# Allegro board buddy_lay_rev1.brd (continued)
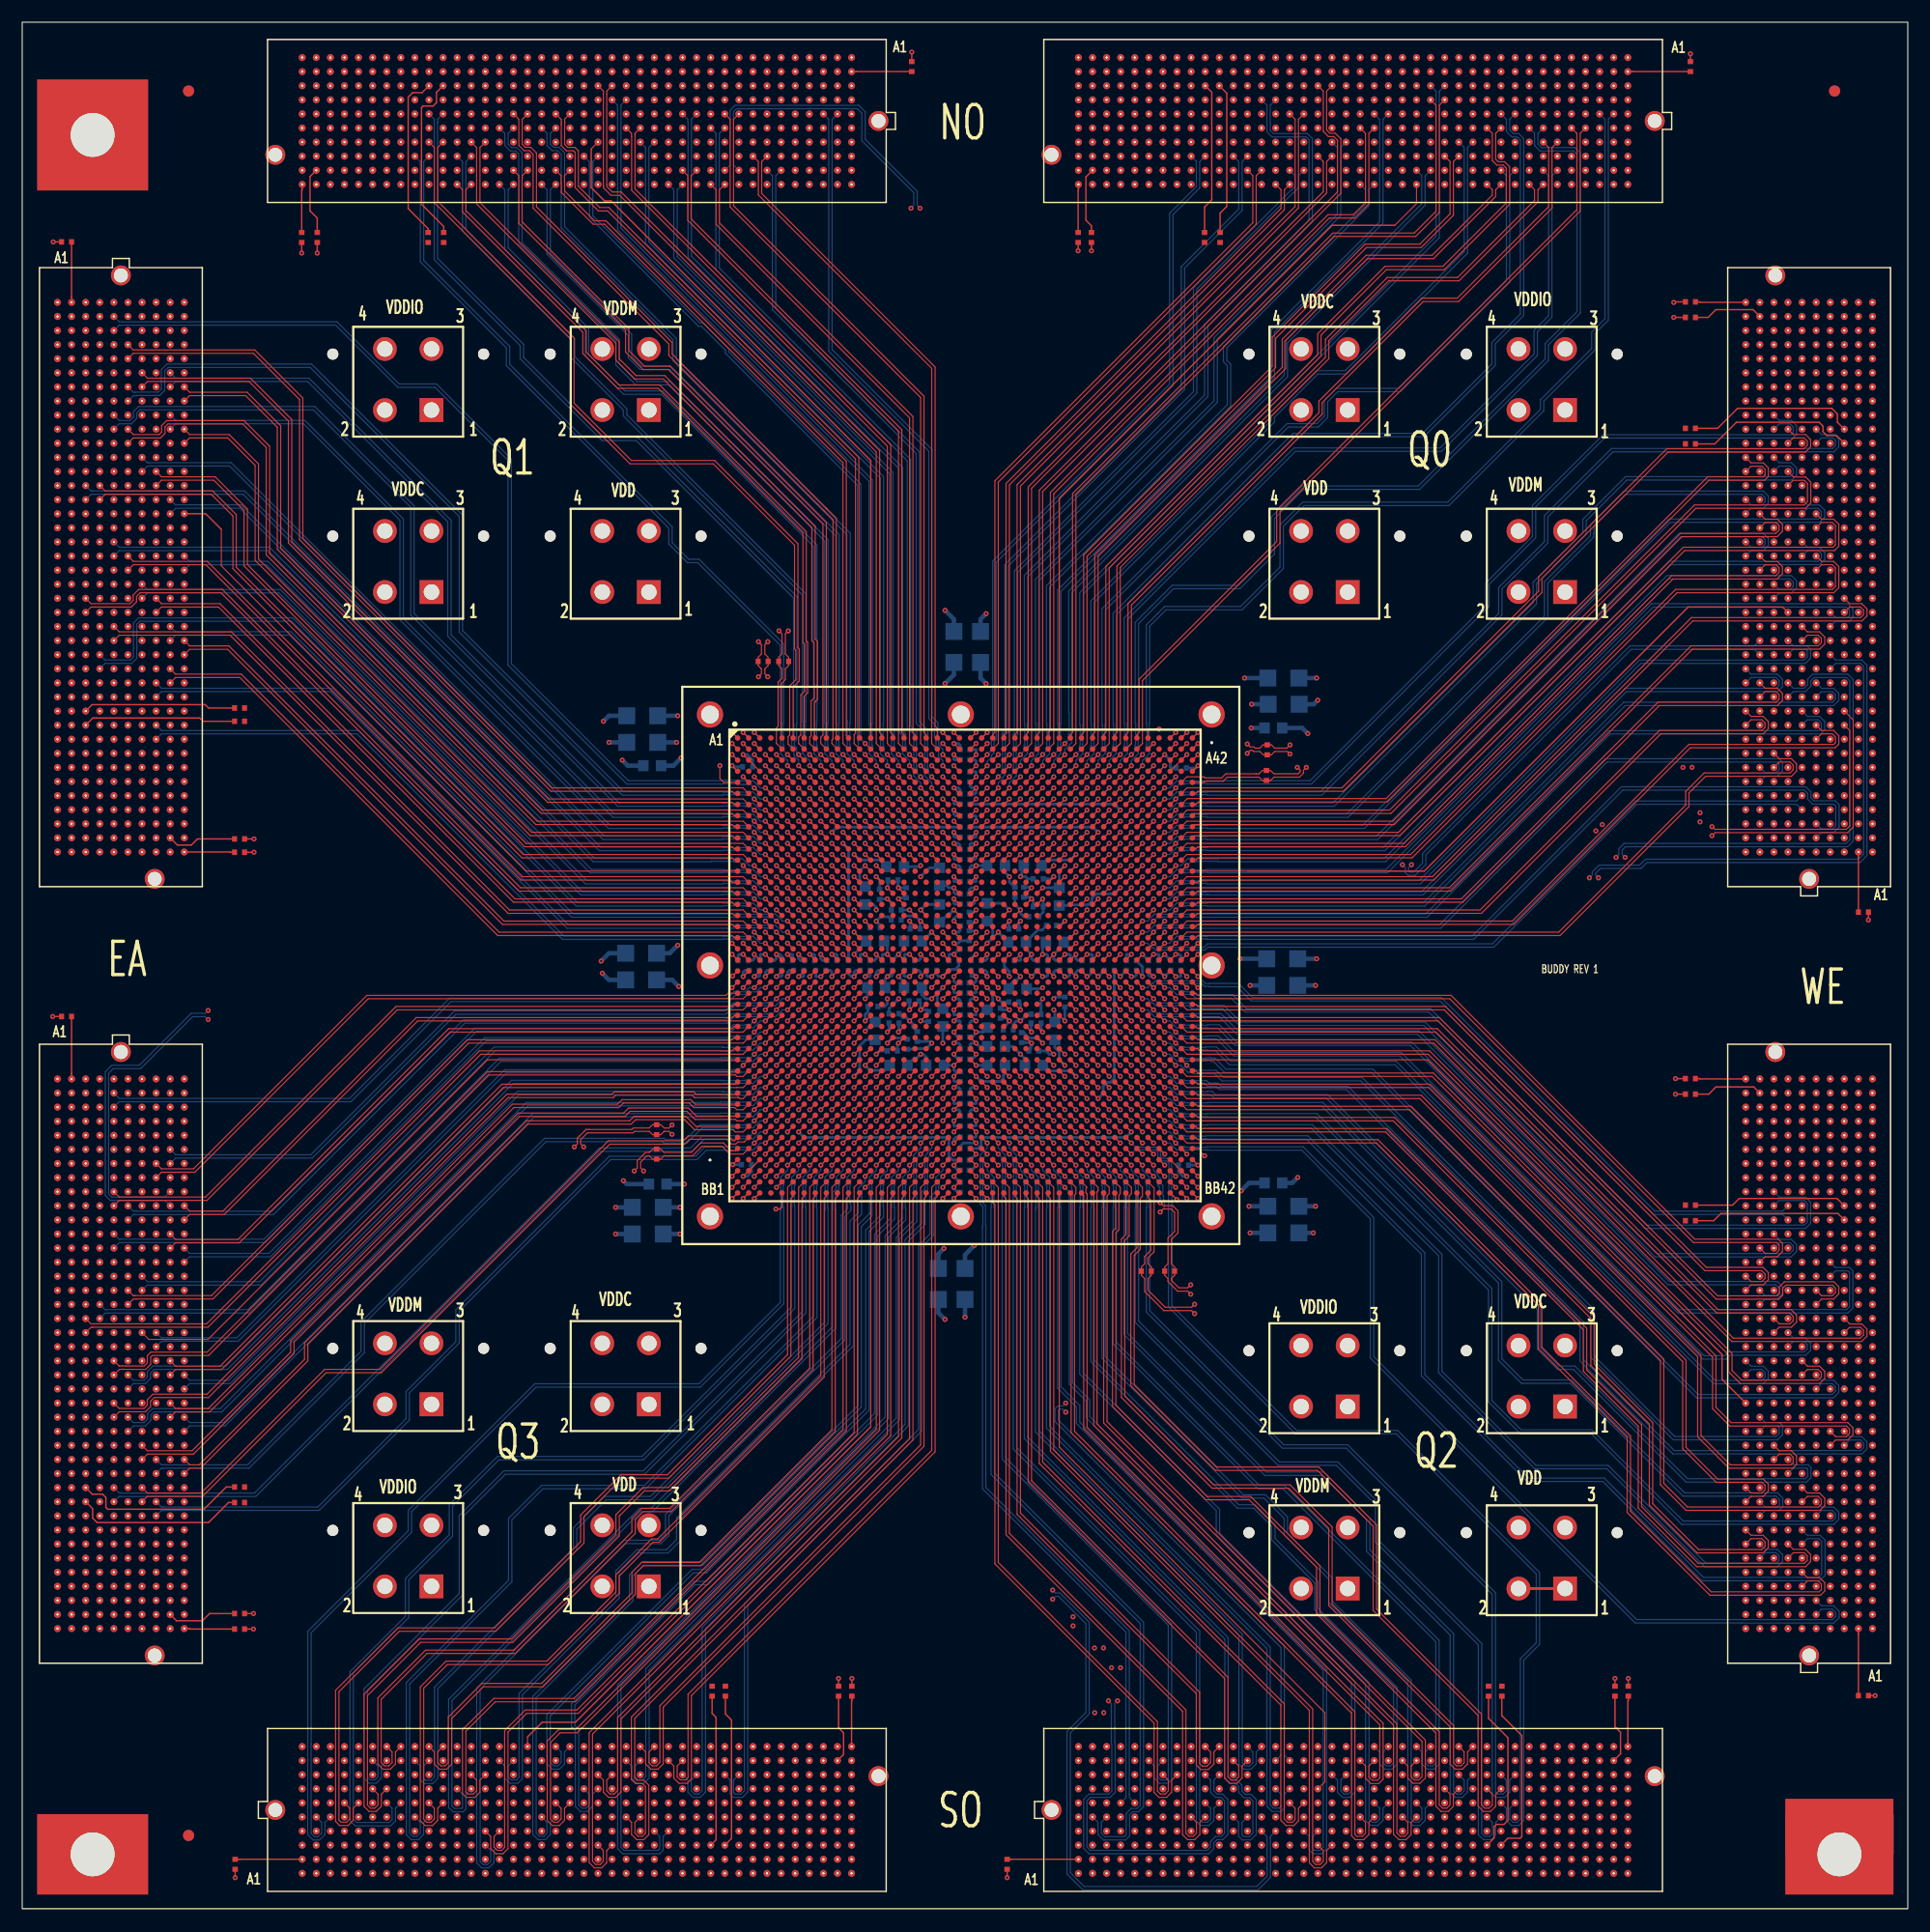
[diagram p0: board, top side]
## Routing (per net, layer and track width the routed paths; a pad name or vN(x,y) marks a point on that pad's centre or on a via; arc(x,y) is an arc through that point) (continued)
  SIGNAL_L6 w0.254: J1.H27 42.23,157.93 ; J1.H27 41.75,158.4 ; J1.H27 41.28,157.93 ; J1.H27 41.75,157.45 ; 71.76,8.27 J6.E38 ; J6.E38 72.71,8.27 ; J6.E38 72.23,8.74 ; J6.E38 72.23,7.79 ; J5.B10 106.66,4.93 ; J5.B10 106.66,3.98 ; J5.B10 106.18,4.46 ; J5.B10 107.13,4.46 ; 142.22,3.98 142.22,4.46 ; 142.22,4.46 142.22,4.93 ; 142.22,4.46 142.69,4.46 ; 142.22,4.46 141.74,4.46 ; J8.B18 4.46,123.64 ; J8.B18 4.46,122.69 ; J8.B18 4.93,123.17 ; J8.B18 3.98,123.17 ; J24.1 139.1,30.09 ; J24.1 139.1,27.61 ; J24.1 137.86,28.85 ; J24.1 140.34,28.85 ; 160.47,61.6 J4.F30 ; J4.F30 160.47,62.55 ; J4.F30 160.94,62.07 ; J4.F30 159.99,62.07 ; 50.17,159.19 J1.G20 ; J1.G20 51.12,159.19 ; J1.G20 50.64,159.67 ; J1.G20 50.64,158.72 ; 38.74,3.19 39.21,3.19 ; 39.21,3.19 39.21,3.66 ; 39.21,3.19 39.69,3.19 ; 39.21,3.19 39.21,2.71 ; 33.66,13.35 34.13,13.35 ; 34.13,13.35 34.61,13.35 ; 34.13,13.35 34.13,12.87 ; 34.13,13.35 34.13,13.82 ; J6.A37 70.96,3.66 ; J6.A37 70.96,2.71 ; J6.A37 71.44,3.19 ; J6.A37 70.49,3.19 ; J3.G4 159.67,99.04 ; J3.G4 159.19,99.51 ; J3.G4 158.72,99.04 ; J3.G4 159.19,98.56 ; 8.27,131.58 J8.E11 ; J8.E11 8.74,132.06 ; J8.E11 8.27,132.53 ; J8.E11 7.79,132.06 ; 161.74,29.05 162.21,29.05 ; 161.74,29.05 161.74,28.58 ; 161.74,29.05 161.74,29.53 ; 161.74,29.05 161.26,29.05 ; 166.34,55.72 J4.A25 ; J4.A25 166.81,56.2 ; J4.A25 166.81,55.25 ; J4.A25 167.29,55.72 ; 9.06,100.31 9.54,100.31 ; 9.54,100.31 9.54,100.78 ; 9.54,100.31 10.01,100.31 ; 9.54,100.31 9.54,99.83 ; 134.12,8.27 J5.E32 ; J5.E32 134.6,8.74 ; J5.E32 135.07,8.27 ; J5.E32 134.6,7.79 ; 4.46,71.76 J7.B3 ; J7.B3 3.98,72.23 ; J7.B3 4.93,72.23 ; J7.B3 4.46,72.71 ; 165.07,68.42 J4.B35 ; J4.B35 166.02,68.42 ; J4.B35 165.54,68.9 ; J4.B35 165.54,67.95 ; J3.J17 157.13,115.55 ; J3.J17 156.18,115.55 ; J3.J17 156.66,115.07 ; J3.J17 156.66,116.02 ; 119.36,3.19 119.83,3.19 ; 119.36,3.19 119.36,3.66 ; 119.36,3.19 119.36,2.71 ; 119.36,3.19 118.88,3.19 ; J6.K18 47.31,14.62 ; J6.K18 46.83,14.14 ; J6.K18 46.36,14.62 ; J6.K18 46.83,15.09 ; 111.74,10.8 112.21,10.8 ; 111.74,10.8 111.26,10.8 ; 111.74,10.8 111.74,10.33 ; 111.74,10.8 111.74,11.28 ; 161.26,111.74 161.74,111.74 ; 161.74,111.74 161.74,111.26 ; 161.74,111.74 162.21,111.74 ; 161.74,111.74 161.74,112.21 ; 161.74,118.88 161.74,119.36 ; 161.74,119.36 161.26,119.36 ; 161.74,119.36 162.21,119.36 ; 161.74,119.36 161.74,119.83 ; 41.28,155.38 J1.K27 ; J1.K27 41.75,155.86 ; J1.K27 42.23,155.38 ; J1.K27 41.75,154.91 ; 26.04,4.46 J6.B2 ; J6.B2 26.51,3.98 ; J6.B2 26.99,4.46 ; J6.B2 26.51,4.93 ; J5.D19 118.56,7 ; J5.D19 118.09,7.47 ; J5.D19 118.09,6.52 ; J5.D19 117.61,7 ; 8.27,135.39 8.27,135.87 ; 8.27,135.87 8.27,136.34 ; 8.27,135.87 8.74,135.87 ; 8.27,135.87 7.79,135.87 ; 165.54,52.71 J4.B23 ; J4.B23 165.54,53.66 ; J4.B23 165.07,53.18 ; J4.B23 166.02,53.18 ; 163.8,142.22 J3.C38 ; J3.C38 164.28,142.69 ; J3.C38 164.75,142.22 ; J3.C38 164.28,141.74 ; 164.28,33.66 J4.C8 ; J4.C8 163.8,34.13 ; J4.C8 164.75,34.13 ; J4.C8 164.28,34.61 ; J7.E32 8.27,35.88 ; J7.E32 7.79,35.4 ; J7.E32 8.74,35.4 ; J7.E32 8.27,34.93 ; 30.32,10.33 30.32,10.8 ; 30.32,10.8 30.32,11.28 ; 30.32,10.8 30.8,10.8 ; 30.32,10.8 29.85,10.8 ; 165.07,27.78 J4.B3 ; J4.B3 166.02,27.78 ; J4.B3 165.54,28.26 ; J4.B3 165.54,27.31 ; 10.8,140.95 11.28,140.95 ; 10.8,140.95 10.8,140.47 ; 10.8,140.95 10.33,140.95 ; 10.8,140.95 10.8,141.42 ; J1.C13 59.53,164.75 ; J1.C13 60.01,164.28 ; J1.C13 59.53,163.8 ; J1.C13 59.06,164.28 ; J6.H21 50.64,12.55 ; J6.H21 51.12,12.07 ; J6.H21 50.17,12.07 ; J6.H21 50.64,11.6 ; 107.45,157.93 J2.H30 ; J2.H30 108.4,157.93 ; J2.H30 107.93,157.45 ; J2.H30 107.93,158.4 ; J4.A24 167.29,54.45 ; J4.A24 166.81,53.98 ; J4.A24 166.34,54.45 ; J4.A24 166.81,54.93 ; J4.J32 156.66,65.09 ; J4.J32 157.13,64.61 ; J4.J32 156.66,64.14 ; J4.J32 156.18,64.61 ; 9.06,104.12 9.54,104.12 ; 9.54,104.12 10.01,104.12 ; 9.54,104.12 9.54,103.64 ; 9.54,104.12 9.54,104.59 ; J3.B10 165.54,107.13 ; J3.B10 165.07,106.66 ; J3.B10 165.54,106.18 ; J3.B10 166.02,106.66 ; J1.J29 39.21,157.13 ; J1.J29 39.21,156.18 ; J1.J29 38.74,156.66 ; J1.J29 39.69,156.66 ; J6.E17 46.04,8.27 ; J6.E17 45.56,8.74 ; J6.E17 45.56,7.79 ; J6.E17 45.09,8.27 ; J3.G35 159.67,138.41 ; J3.G35 158.72,138.41 ; J3.G35 159.19,137.93 ; J3.G35 159.19,138.88 ; J3.J26 156.66,127.45 ; J3.J26 156.66,126.5 ; J3.J26 156.18,126.98 ; J3.J26 157.13,126.98 ; J3.F39 160.94,143.49 ; J3.F39 159.99,143.49 ; J3.F39 160.47,143.96 ; J3.F39 160.47,143.01 ; 94.75,159.19 J2.G40 ; J2.G40 95.23,158.72 ; J2.G40 95.7,159.19 ; J2.G40 95.23,159.67 ; J5.G38 142.69,10.8 ; J5.G38 142.22,10.33 ; J5.G38 142.22,11.28 ; J5.G38 141.74,10.8 ; J8.F24 10.01,115.55 ; J8.F24 9.54,116.02 ; J8.F24 9.54,115.07 ; J8.F24 9.06,115.55 ; 3.19,119.36 3.19,119.83 ; 3.19,119.36 3.66,119.36 ; 3.19,119.36 2.71,119.36 ; 3.19,119.36 3.19,118.88 ; 157.93,123.96 J3.H24 ; J3.H24 157.93,124.91 ; J3.H24 158.4,124.44 ; J3.H24 157.45,124.44 ; 95.23,5.72 95.7,5.72 ; 95.23,5.72 95.23,5.25 ; 95.23,5.72 95.23,6.2 ; 95.23,5.72 94.75,5.72 ; 26.04,7 J6.D2 ; J6.D2 26.51,6.52 ; J6.D2 26.99,7 ; J6.D2 26.51,7.47 ; 160.47,57.79 J4.F27 ; J4.F27 160.94,58.26 ; J4.F27 160.47,58.74 ; J4.F27 159.99,58.26 ; J1.C25 44.29,164.75 ; J1.C25 44.29,163.8 ; J1.C25 44.77,164.28 ; J1.C25 43.82,164.28 ; 64.14,5.72 J6.C32 ; J6.C32 64.61,5.25 ; J6.C32 64.61,6.2 ; J6.C32 65.09,5.72 ; J5.F2 96.97,9.54 ; J5.F2 96.02,9.54 ; J5.F2 96.5,10.01 ; J5.F2 96.5,9.06 ; 104.12,166.34 J2.A33 ; J2.A33 104.12,167.29 ; J2.A33 103.64,166.81 ; J2.A33 104.59,166.81 ; 40.01,5.72 40.48,5.72 ; 40.48,5.72 40.48,6.2 ; 40.48,5.72 40.48,5.25 ; 40.48,5.72 40.96,5.72 ; 2.71,115.55 3.19,115.55 ; 3.19,115.55 3.66,115.55 ; 3.19,115.55 3.19,115.07 ; 3.19,115.55 3.19,116.02 ; J1.D39 26.51,163.48 ; J1.D39 26.51,162.53 ; J1.D39 26.99,163 ; J1.D39 26.04,163 ; 132.06,4.46 132.53,4.46 ; 132.06,4.46 131.58,4.46 ; 132.06,4.46 132.06,3.98 ; 132.06,4.46 132.06,4.93 ; 139.68,163.8 J2.C5 ; J2.C5 139.68,164.75 ; J2.C5 139.2,164.28 ; J2.C5 140.15,164.28 ; J3.G1 159.67,95.23 ; J3.G1 159.19,95.7 ; J3.G1 159.19,94.75 ; J3.G1 158.72,95.23 ; J5.J17 116.02,13.35 ; J5.J17 115.55,13.82 ; J5.J17 115.55,12.87 ; J5.J17 115.07,13.35 ; 165.54,47.63 J4.B19 ; J4.B19 165.07,48.1 ; J4.B19 166.02,48.1 ; J4.B19 165.54,48.58 ; 109.99,5.72 110.47,5.72 ; 110.47,5.72 110.47,6.2 ; 110.47,5.72 110.47,5.25 ; 110.47,5.72 110.94,5.72 ; J11.2 32.7,119.89 ; J11.2 32.7,117.41 ; J11.2 31.46,118.65 ; J11.2 33.94,118.65 ; 103.64,8.27 104.12,8.27 ; 104.12,8.27 104.12,8.74 ; 104.12,8.27 104.12,7.79 ; 104.12,8.27 104.59,8.27 ; 5.72,29.85 J7.C36 ; J7.C36 5.72,30.8 ; J7.C36 6.2,30.32 ; J7.C36 5.25,30.32 ; 9.54,126.5 J8.F15 ; J8.F15 10.01,126.98 ; J8.F15 9.54,127.45 ; J8.F15 9.06,126.98 ; 9.06,130.79 J8.F12 ; J8.F12 9.54,131.26 ; J8.F12 10.01,130.79 ; J8.F12 9.54,130.31 ; 56.52,160.47 J1.F15 ; J1.F15 56.99,160.94 ; J1.F15 57.47,160.47 ; J1.F15 56.99,159.99 ; 29.05,8.27 29.05,8.74 ; 29.05,8.27 28.58,8.27 ; 29.05,8.27 29.05,7.79 ; 29.05,8.27 29.53,8.27 ; J5.D25 125.71,7.47 ; J5.D25 125.71,6.52 ; J5.D25 125.23,7 ; J5.D25 126.18,7 ; 3.19,53.98 3.19,54.45 ; 3.19,54.45 3.19,54.93 ; 3.19,54.45 3.66,54.45 ; 3.19,54.45 2.71,54.45 ; 2.71,39.21 3.19,39.21 ; 3.19,39.21 3.19,38.74 ; 3.19,39.21 3.66,39.21 ; 3.19,39.21 3.19,39.69 ; 165.07,73.5 J4.B39 ; J4.B39 165.54,73.98 ; J4.B39 165.54,73.03 ; J4.B39 166.02,73.5 ; 158.72,142.22 J3.G38 ; J3.G38 159.19,141.74 ; J3.G38 159.67,142.22 ; J3.G38 159.19,142.69 ; 6.52,110.47 J8.D28 ; J8.D28 7.47,110.47 ; J8.D28 7,110.94 ; J8.D28 7,109.99 ; 161.74,122.69 161.74,123.17 ; 161.74,123.17 161.26,123.17 ; 161.74,123.17 162.21,123.17 ; 161.74,123.17 161.74,123.64 ; 35.4,156.18 J1.J32 ; J1.J32 35.88,156.66 ; J1.J32 34.93,156.66 ; J1.J32 35.4,157.13 ; 61.6,14.62 62.07,14.62 ; 62.07,14.62 62.07,14.14 ; 62.07,14.62 62.55,14.62 ; 62.07,14.62 62.07,15.09 ; J16.2 134.9,119.89 ; J16.2 136.14,118.65 ; J16.2 134.9,117.41 ; J16.2 133.66,118.65 ; 99.83,157.93 J2.H36 ; J2.H36 100.31,157.45 ; J2.H36 100.31,158.4 ; J2.H36 100.78,157.93 ; 10.8,27.31 J7.G38 ; J7.G38 11.28,27.78 ; J7.G38 10.33,27.78 ; J7.G38 10.8,28.26 ; 123.96,3.19 124.44,3.19 ; 124.44,3.19 124.44,3.66 ; 124.44,3.19 124.91,3.19 ; 124.44,3.19 124.44,2.71 ; 40.48,3.19 40.96,3.19 ; 40.48,3.19 40.48,2.71 ; 40.48,3.19 40.01,3.19 ; 40.48,3.19 40.48,3.66 ; 140.95,161.74 141.42,161.74 ; 140.95,161.74 140.47,161.74 ; 140.95,161.74 140.95,162.21 ; 140.95,161.74 140.95,161.26 ; 111.26,155.38 J2.K27 ; J2.K27 111.74,154.91 ; J2.K27 111.74,155.86 ; J2.K27 112.21,155.38 ; J2.F18 123.17,160.94 ; J2.F18 123.17,159.99 ; J2.F18 122.69,160.47 ; J2.F18 123.64,160.47 ; 56.99,165.07 J1.B15 ; J1.B15 57.47,165.54 ; J1.B15 56.99,166.02 ; J1.B15 56.52,165.54 ; J2.K30 107.93,155.86 ; J2.K30 107.45,155.38 ; J2.K30 108.4,155.38 ; J2.K30 107.93,154.91 ; J1.H30 38.42,157.93 ; J1.H30 37.47,157.93 ; J1.H30 37.94,158.4 ; J1.H30 37.94,157.45 ; 31.46,29.05 J19.2 ; J19.2 33.94,29.05 ; J19.2 32.7,30.29 ; J19.2 32.7,27.81 ; 140.95,158.72 J2.G4 ; J2.G4 140.95,159.67 ; J2.G4 141.42,159.19 ; J2.G4 140.47,159.19 ; J7.A37 3.66,29.05 ; J7.A37 3.19,29.53 ; J7.A37 3.19,28.58 ; J7.A37 2.71,29.05 ; 9.54,96.5 10.01,96.5 ; 9.54,96.5 9.54,96.97 ; 9.54,96.5 9.06,96.5 ; 9.54,96.5 9.54,96.02 ; 68.42,157.45 J1.H6 ; J1.H6 67.95,157.93 ; J1.H6 68.9,157.93 ; J1.H6 68.42,158.4 ; 10.8,31.12 J7.G35 ; J7.G35 10.8,32.07 ; J7.G35 10.33,31.59 ; J7.G35 11.28,31.59 ; J5.F18 117.29,9.54 ; J5.F18 116.82,10.01 ; J5.F18 116.34,9.54 ; J5.F18 116.82,9.06 ; 161.74,41.75 161.74,42.23 ; 161.74,41.75 162.21,41.75 ; 161.74,41.75 161.26,41.75 ; 161.74,41.75 161.74,41.28 ; 154.91,54.45 J4.K24 ; J4.K24 155.86,54.45 ; J4.K24 155.38,54.93 ; J4.K24 155.38,53.98 ; 5.72,24.77 J7.C40 ; J7.C40 5.72,25.72 ; J7.C40 5.25,25.24 ; J7.C40 6.2,25.24 ; J5.H21 121.1,12.07 ; J5.H21 120.63,11.6 ; J5.H21 120.63,12.55 ; J5.H21 120.15,12.07 ; J1.C17 54.93,164.28 ; J1.C17 54.45,164.75 ; J1.C17 53.98,164.28 ; J1.C17 54.45,163.8 ; 163.8,64.61 J4.C32 ; J4.C32 164.75,64.61 ; J4.C32 164.28,64.14 ; J4.C32 164.28,65.09 ; 7,99.04 7,99.51 ; 7,99.04 6.52,99.04 ; 7,99.04 7.47,99.04 ; 7,99.04 7,98.56 ; 45.09,164.28 J1.C24 ; J1.C24 46.04,164.28 ; J1.C24 45.56,163.8 ; J1.C24 45.56,164.75 ; 5.72,115.55 6.2,115.55 ; 5.72,115.55 5.72,116.02 ; 5.72,115.55 5.72,115.07 ; 5.72,115.55 5.25,115.55 ; J4.H21 157.93,51.12 ; J4.H21 158.4,50.64 ; J4.H21 157.93,50.17 ; J4.H21 157.45,50.64 ; J3.C40 164.28,145.23 ; J3.C40 163.8,144.76 ; J3.C40 164.75,144.76 ; J3.C40 164.28,144.28 ; J1.G14 58.26,159.67 ; J1.G14 58.26,158.72 ; J1.G14 58.74,159.19 ; J1.G14 57.79,159.19 ; J5.H18 116.82,12.55 ; J5.H18 116.82,11.6 ; J5.H18 117.29,12.07 ; J5.H18 116.34,12.07 ; J2.J11 132.06,157.13 ; J2.J11 131.58,156.66 ; J2.J11 132.53,156.66 ; J2.J11 132.06,156.18 ; 166.34,114.28 J3.A16 ; J3.A16 166.81,113.8 ; J3.A16 167.29,114.28 ; J3.A16 166.81,114.75 ; J5.F3 97.77,10.01 ; J5.F3 97.29,9.54 ; J5.F3 98.24,9.54 ; J5.F3 97.77,9.06 ; J7.A32 3.19,35.88 ; J7.A32 3.66,35.4 ; J7.A32 3.19,34.93 ; J7.A32 2.71,35.4 ; 14.62,33.66 14.62,34.13 ; 14.62,34.13 14.62,34.61 ; 14.62,34.13 14.14,34.13 ; 14.62,34.13 15.09,34.13 ; J4.K39 155.86,73.5 ; J4.K39 155.38,73.03 ; J4.K39 155.38,73.98 ; J4.K39 154.91,73.5 ; 156.66,99.83 J3.J5 ; J3.J5 157.13,100.31 ; J3.J5 156.18,100.31 ; J3.J5 156.66,100.78 ; J7.B22 4.46,48.58 ; J7.B22 4.46,47.63 ; J7.B22 3.98,48.1 ; J7.B22 4.93,48.1 ; 33.66,3.19 34.13,3.19 ; 34.13,3.19 34.13,3.66 ; 34.13,3.19 34.61,3.19 ; 34.13,3.19 34.13,2.71 ; 65.88,14.62 66.36,14.62 ; 65.88,14.62 65.88,15.09 ; 65.88,14.62 65.88,14.14 ; 65.88,14.62 65.41,14.62 ; J4.D37 163,71.44 ; J4.D37 163.48,70.96 ; J4.D37 162.53,70.96 ; J4.D37 163,70.49 ; 109.2,5.25 109.2,5.72 ; 109.2,5.72 109.67,5.72 ; 109.2,5.72 109.2,6.2 ; 109.2,5.72 108.72,5.72 ; 34.13,166.34 J1.A33 ; J1.A33 33.66,166.81 ; J1.A33 34.61,166.81 ; J1.A33 34.13,167.29 ; J5.C28 129.99,5.72 ; J5.C28 129.52,6.2 ; J5.C28 129.04,5.72 ; J5.C28 129.52,5.25 ; 60.33,3.19 J6.A29 ; J6.A29 60.8,3.66 ; J6.A29 60.8,2.71 ; J6.A29 61.28,3.19 ; 5.25,104.12 J8.C33 ; J8.C33 5.72,104.59 ; J8.C33 6.2,104.12 ; J8.C33 5.72,103.64 ; 158.72,34.13 J4.G8 ; J4.G8 159.19,33.66 ; J4.G8 159.19,34.61 ; J4.G8 159.67,34.13 ; 133.33,3.98 133.33,4.46 ; 133.33,4.46 132.85,4.46 ; 133.33,4.46 133.33,4.93 ; 133.33,4.46 133.8,4.46 ; J4.F33 160.47,66.36 ; J4.F33 160.47,65.41 ; J4.F33 160.94,65.88 ; J4.F33 159.99,65.88 ; J3.B3 165.54,98.24 ; J3.B3 166.02,97.77 ; J3.B3 165.07,97.77 ; J3.B3 165.54,97.29 ; 10.33,144.76 10.8,144.76 ; 10.8,144.76 10.8,144.28 ; 10.8,144.76 11.28,144.76 ; 10.8,144.76 10.8,145.23 ; 8.27,70.49 8.27,70.96 ; 8.27,70.96 8.74,70.96 ; 8.27,70.96 8.27,71.44 ; 8.27,70.96 7.79,70.96 ; J3.F27 160.47,128.72 ; J3.F27 159.99,128.25 ; J3.F27 160.47,127.77 ; J3.F27 160.94,128.25 ; J2.B7 137.61,165.54 ; J2.B7 137.14,166.02 ; J2.B7 137.14,165.07 ; J2.B7 136.66,165.54 ; 97.77,158.72 J2.G38 ; J2.G38 97.29,159.19 ; J2.G38 97.77,159.67 ; J2.G38 98.24,159.19 ; 97.77,163.8 J2.C38 ; J2.C38 97.77,164.75 ; J2.C38 97.29,164.28 ; J2.C38 98.24,164.28 ; 39.21,14.14 J6.K12 ; J6.K12 39.69,14.62 ; J6.K12 39.21,15.09 ; J6.K12 38.74,14.62 ; 157.93,65.41 J4.H33 ; J4.H33 157.45,65.88 ; J4.H33 157.93,66.36 ; J4.H33 158.4,65.88 ; J2.H21 119.83,157.93 ; J2.H21 119.36,158.4 ; J2.H21 119.36,157.45 ; J2.H21 118.88,157.93 ; 141.74,165.54 J2.B3 ; J2.B3 142.22,166.02 ; J2.B3 142.69,165.54 ; J2.B3 142.22,165.07 ; 127.77,4.46 128.25,4.46 ; 128.25,4.46 128.25,4.93 ; 128.25,4.46 128.72,4.46 ; 128.25,4.46 128.25,3.98 ; 5.25,45.56 5.72,45.56 ; 5.72,45.56 5.72,45.09 ; 5.72,45.56 6.2,45.56 ; 5.72,45.56 5.72,46.04 ; J3.C36 164.28,140.15 ; J3.C36 164.75,139.68 ; J3.C36 163.8,139.68 ; J3.C36 164.28,139.2 ; J4.K33 155.86,65.88 ; J4.K33 155.38,65.41 ; J4.K33 155.38,66.36 ; J4.K33 154.91,65.88 ; J3.A37 166.81,141.42 ; J3.A37 166.81,140.47 ; J3.A37 166.34,140.95 ; J3.A37 167.29,140.95 ; 8.27,127.77 J8.E14 ; J8.E14 8.74,128.25 ; J8.E14 8.27,128.72 ; J8.E14 7.79,128.25 ; J8.H24 12.07,116.02 ; J8.H24 12.55,115.55 ; J8.H24 11.6,115.55 ; J8.H24 12.07,115.07 ; 163.8,95.23 J3.C1 ; J3.C1 164.75,95.23 ; J3.C1 164.28,95.7 ; J3.C1 164.28,94.75 ; 6.52,29.05 7,29.05 ; 7,29.05 7,29.53 ; 7,29.05 7,28.58 ; 7,29.05 7.47,29.05 ; 144.76,161.74 145.23,161.74 ; 144.76,161.74 144.76,161.26 ; 144.76,161.74 144.76,162.21 ; 144.76,161.74 144.28,161.74 ; 161.26,144.76 161.74,144.76 ; 161.74,144.76 161.74,144.28 ; 161.74,144.76 161.74,145.23 ; 161.74,144.76 162.21,144.76 ; J5.D13 110.94,7 ; J5.D13 110.47,6.52 ; J5.D13 109.99,7 ; J5.D13 110.47,7.47 ; J7.D3 7,72.71 ; J7.D3 7.47,72.23 ; J7.D3 6.52,72.23 ; J7.D3 7,71.76 ; J3.A21 167.29,120.63 ; J3.A21 166.81,120.15 ; J3.A21 166.81,121.1 ; J3.A21 166.34,120.63 ; J3.B11 165.54,108.4 ; J3.B11 165.54,107.45 ; J3.B11 165.07,107.93 ; J3.B11 166.02,107.93 ; 159.99,124.44 J3.F24 ; J3.F24 160.47,123.96 ; J3.F24 160.94,124.44 ; J3.F24 160.47,124.91 ; 14.62,71.76 J7.K3 ; J7.K3 14.14,72.23 ; J7.K3 15.09,72.23 ; J7.K3 14.62,72.71 ; J7.D13 7.47,59.53 ; J7.D13 6.52,59.53 ; J7.D13 7,60.01 ; J7.D13 7,59.06 ; 25.24,3.19 25.72,3.19 ; 25.24,3.19 25.24,2.71 ; 25.24,3.19 24.77,3.19 ; 25.24,3.19 25.24,3.66 ; J8.C36 5.72,100.78 ; J8.C36 5.25,100.31 ; J8.C36 5.72,99.83 ; J8.C36 6.2,100.31 ; 123.96,9.54 J5.F24 ; J5.F24 124.44,10.01 ; J5.F24 124.44,9.06 ; J5.F24 124.91,9.54 ; 12.87,113.01 J8.J26 ; J8.J26 13.35,113.48 ; J8.J26 13.82,113.01 ; J8.J26 13.35,112.53 ; 46.36,4.46 J6.B18 ; J6.B18 46.83,3.98 ; J6.B18 47.31,4.46 ; J6.B18 46.83,4.93 ; 44.29,3.19 44.29,3.66 ; 44.29,3.19 44.29,2.71 ; 44.29,3.19 43.82,3.19 ; 44.29,3.19 44.77,3.19 ; 164.28,59.06 J4.C28 ; J4.C28 163.8,59.53 ; J4.C28 164.75,59.53 ; J4.C28 164.28,60.01 ; 51.91,165.07 J1.B19 ; J1.B19 51.44,165.54 ; J1.B19 51.91,166.02 ; J1.B19 52.39,165.54 ; J7.K12 14.62,61.28 ; J7.K12 15.09,60.8 ; J7.K12 14.14,60.8 ; J7.K12 14.62,60.33 ; J7.H2 12.07,73.98 ; J7.H2 12.55,73.5 ; J7.H2 12.07,73.03 ; J7.H2 11.6,73.5 ; 161.74,104.12 162.21,104.12 ; 161.74,104.12 161.26,104.12 ; 161.74,104.12 161.74,103.64 ; 161.74,104.12 161.74,104.59 ; 165.07,121.9 J3.B22 ; J3.B22 166.02,121.9 ; J3.B22 165.54,122.37 ; J3.B22 165.54,121.42 ; J1.D3 72.71,163 ; J1.D3 72.23,163.48 ; J1.D3 71.76,163 ; J1.D3 72.23,162.53 ; 157.45,143.49 J3.H39 ; J3.H39 157.93,143.96 ; J3.H39 157.93,143.01 ; J3.H39 158.4,143.49 ; 40.48,6.52 J6.D13 ; J6.D13 40.48,7.47 ; J6.D13 40.96,7 ; J6.D13 40.01,7 ; J6.J23 53.18,13.82 ; J6.J23 52.71,13.35 ; J6.J23 53.18,12.87 ; J6.J23 53.66,13.35 ; 14.62,141.74 J8.K3 ; J8.K3 15.09,142.22 ; J8.K3 14.14,142.22 ; J8.K3 14.62,142.69 ; 130.31,13.35 J5.J29 ; J5.J29 130.79,13.82 ; J5.J29 131.26,13.35 ; J5.J29 130.79,12.87 ; 164.28,103.64 J3.C8 ; J3.C8 164.75,104.12 ; J3.C8 164.28,104.59 ; J3.C8 163.8,104.12 ; 159.19,144.28 J3.G40 ; J3.G40 159.67,144.76 ; J3.G40 159.19,145.23 ; J3.G40 158.72,144.76 ; 50.64,5.25 50.64,5.72 ; 50.64,5.72 50.17,5.72 ; 50.64,5.72 51.12,5.72 ; 50.64,5.72 50.64,6.2 ; 54.45,3.19 54.93,3.19 ; 54.45,3.19 53.98,3.19 ; 54.45,3.19 54.45,2.71 ; 54.45,3.19 54.45,3.66 ; J1.H15 57.47,157.93 ; J1.H15 56.52,157.93 ; J1.H15 56.99,157.45 ; J1.H15 56.99,158.4 ; 3.98,137.14 J8.B7 ; J8.B7 4.46,136.66 ; J8.B7 4.93,137.14 ; J8.B7 4.46,137.61 ; J8.G32 11.28,105.39 ; J8.G32 10.8,105.86 ; J8.G32 10.8,104.91 ; J8.G32 10.33,105.39 ; J2.A9 134.6,167.29 ; J2.A9 134.6,166.34 ; J2.A9 135.07,166.81 ; J2.A9 134.12,166.81 ; J4.C29 164.75,60.8 ; J4.C29 164.28,61.28 ; J4.C29 164.28,60.33 ; J4.C29 163.8,60.8 ; 154.91,26.51 J4.K2 ; J4.K2 155.38,26.04 ; J4.K2 155.86,26.51 ; J4.K2 155.38,26.99 ; 31.12,161.74 31.59,161.74 ; 31.59,161.74 32.07,161.74 ; 31.59,161.74 31.59,161.26 ; 31.59,161.74 31.59,162.21 ; 12.87,135.87 13.35,135.87 ; 13.35,135.87 13.82,135.87 ; 13.35,135.87 13.35,135.39 ; 13.35,135.87 13.35,136.34 ; 69.69,14.14 69.69,14.62 ; 69.69,14.62 70.17,14.62 ; 69.69,14.62 69.69,15.09 ; 69.69,14.62 69.22,14.62 ; 137.86,118.65 J16.1 ; J16.1 139.1,117.41 ; J16.1 140.34,118.65 ; J16.1 139.1,119.89 ; 11.6,68.42 J7.H6 ; J7.H6 12.07,67.95 ; J7.H6 12.07,68.9 ; J7.H6 12.55,68.42 ; 106.66,165.07 J2.B31 ; J2.B31 107.13,165.54 ; J2.B31 106.18,165.54 ; J2.B31 106.66,166.02 ; 74.77,7.79 J6.E40 ; J6.E40 75.25,8.27 ; J6.E40 74.3,8.27 ; J6.E40 74.77,8.74 ; J3.A28 167.29,129.52 ; J3.A28 166.34,129.52 ; J3.A28 166.81,129.99 ; J3.A28 166.81,129.04 ; J7.H15 12.55,56.99 ; J7.H15 11.6,56.99 ; J7.H15 12.07,56.52 ; J7.H15 12.07,57.47 ; J2.G20 121.1,159.19 ; J2.G20 120.63,159.67 ; J2.G20 120.15,159.19 ; J2.G20 120.63,158.72 ; 27.78,158.72 J1.G38 ; J1.G38 27.78,159.67 ; J1.G38 28.26,159.19 ; J1.G38 27.31,159.19 ; J1.C5 70.17,164.28 ; J1.C5 69.69,163.8 ; J1.C5 69.69,164.75 ; J1.C5 69.22,164.28 ; 166.81,103.64 J3.A8 ; J3.A8 166.34,104.12 ; J3.A8 167.29,104.12 ; J3.A8 166.81,104.59 ; J1.F2 73.5,160.94 ; J1.F2 73.5,159.99 ; J1.F2 73.03,160.47 ; J1.F2 73.98,160.47 ; J6.A36 69.69,3.66 ; J6.A36 69.69,2.71 ; J6.A36 70.17,3.19 ; J6.A36 69.22,3.19 ; 143.01,12.07 143.49,12.07 ; 143.49,12.07 143.49,12.55 ; 143.49,12.07 143.49,11.6 ; 143.49,12.07 143.96,12.07 ; J3.K36 155.38,140.15 ; J3.K36 154.91,139.68 ; J3.K36 155.86,139.68 ; J3.K36 155.38,139.2 ; J3.J40 156.66,145.23 ; J3.J40 156.18,144.76 ; J3.J40 157.13,144.76 ; J3.J40 156.66,144.28 ; 62.87,4.46 63.34,4.46 ; 63.34,4.46 63.34,4.93 ; 63.34,4.46 63.82,4.46 ; 63.34,4.46 63.34,3.98 ; J3.G23 159.67,123.17 ; J3.G23 159.19,122.69 ; J3.G23 159.19,123.64 ; J3.G23 158.72,123.17 ; J3.G32 159.19,135.07 ; J3.G32 158.72,134.6 ; J3.G32 159.67,134.6 ; J3.G32 159.19,134.12 ; J7.K18 14.62,53.66 ; J7.K18 15.09,53.18 ; J7.K18 14.14,53.18 ; J7.K18 14.62,52.71 ; 73.03,157.93 J1.H2 ; J1.H2 73.98,157.93 ; J1.H2 73.5,158.4 ; J1.H2 73.5,157.45 ; J1.D37 29.53,163 ; J1.D37 29.05,163.48 ; J1.D37 29.05,162.53 ; J1.D37 28.58,163 ; 3.19,135.39 3.19,135.87 ; 3.19,135.87 2.71,135.87 ; 3.19,135.87 3.19,136.34 ; 3.19,135.87 3.66,135.87 ; 165.07,123.17 J3.B23 ; J3.B23 165.54,122.69 ; J3.B23 166.02,123.17 ; J3.B23 165.54,123.64 ; 64.61,10.33 J6.G32 ; J6.G32 64.14,10.8 ; J6.G32 64.61,11.28 ; J6.G32 65.09,10.8 ; 4.46,143.01 J8.B2 ; J8.B2 4.93,143.49 ; J8.B2 4.46,143.96 ; J8.B2 3.98,143.49 ; 112.53,12.07 J5.H15 ; J5.H15 113.48,12.07 ; J5.H15 113.01,12.55 ; J5.H15 113.01,11.6 ; J5.G17 116.02,10.8 ; J5.G17 115.55,11.28 ; J5.G17 115.07,10.8 ; J5.G17 115.55,10.33 ; J1.F24 45.56,160.94 ; J1.F24 46.04,160.47 ; J1.F24 45.56,159.99 ; J1.F24 45.09,160.47 